# Altium PCB HandHeld_Terminal_V2_Rev3.PcbDoc (part 1 of 2)
Units mil, origin at the board's own origin, x right, y up, seen from the top; angles counter-clockwise.
Board outline 3031.5 x 1889.77 mil, 4 copper layers (Top Layer, GND_02, PWR_03, Bottom Layer), stack 63.307 mil thick; 122 components, 81 nets, 452 pads, 291 vias.
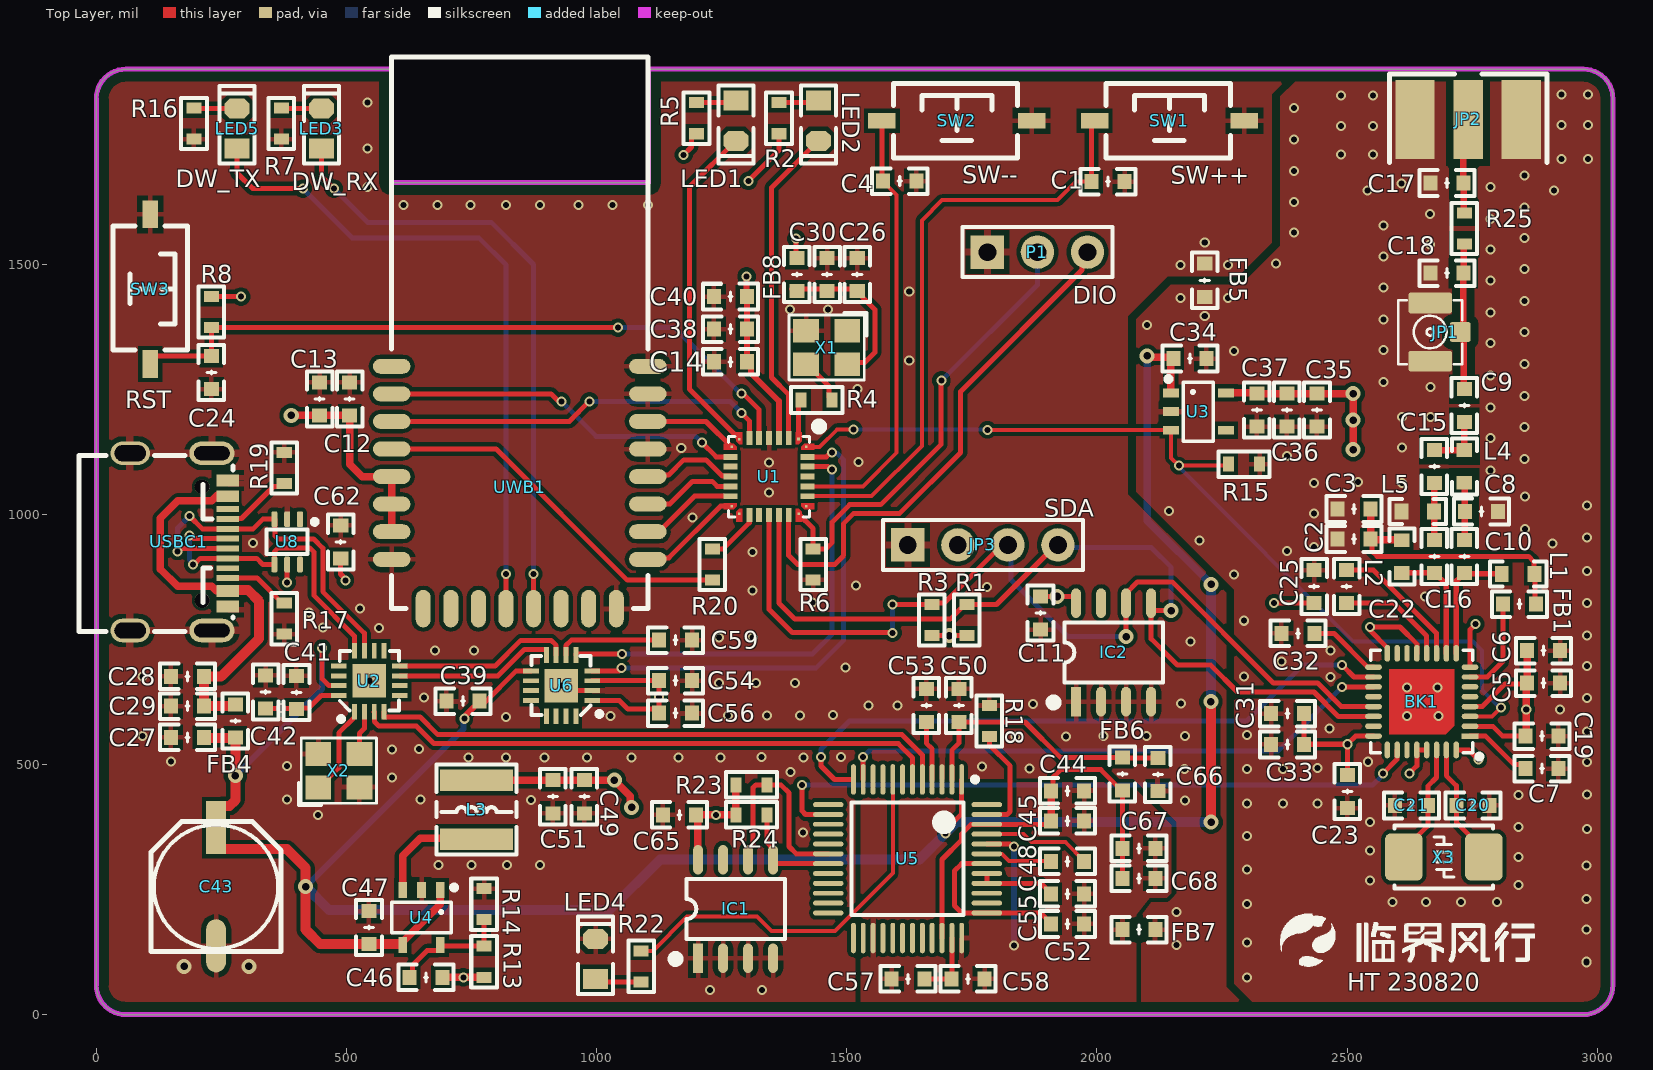
[diagram p0: Top Layer view]
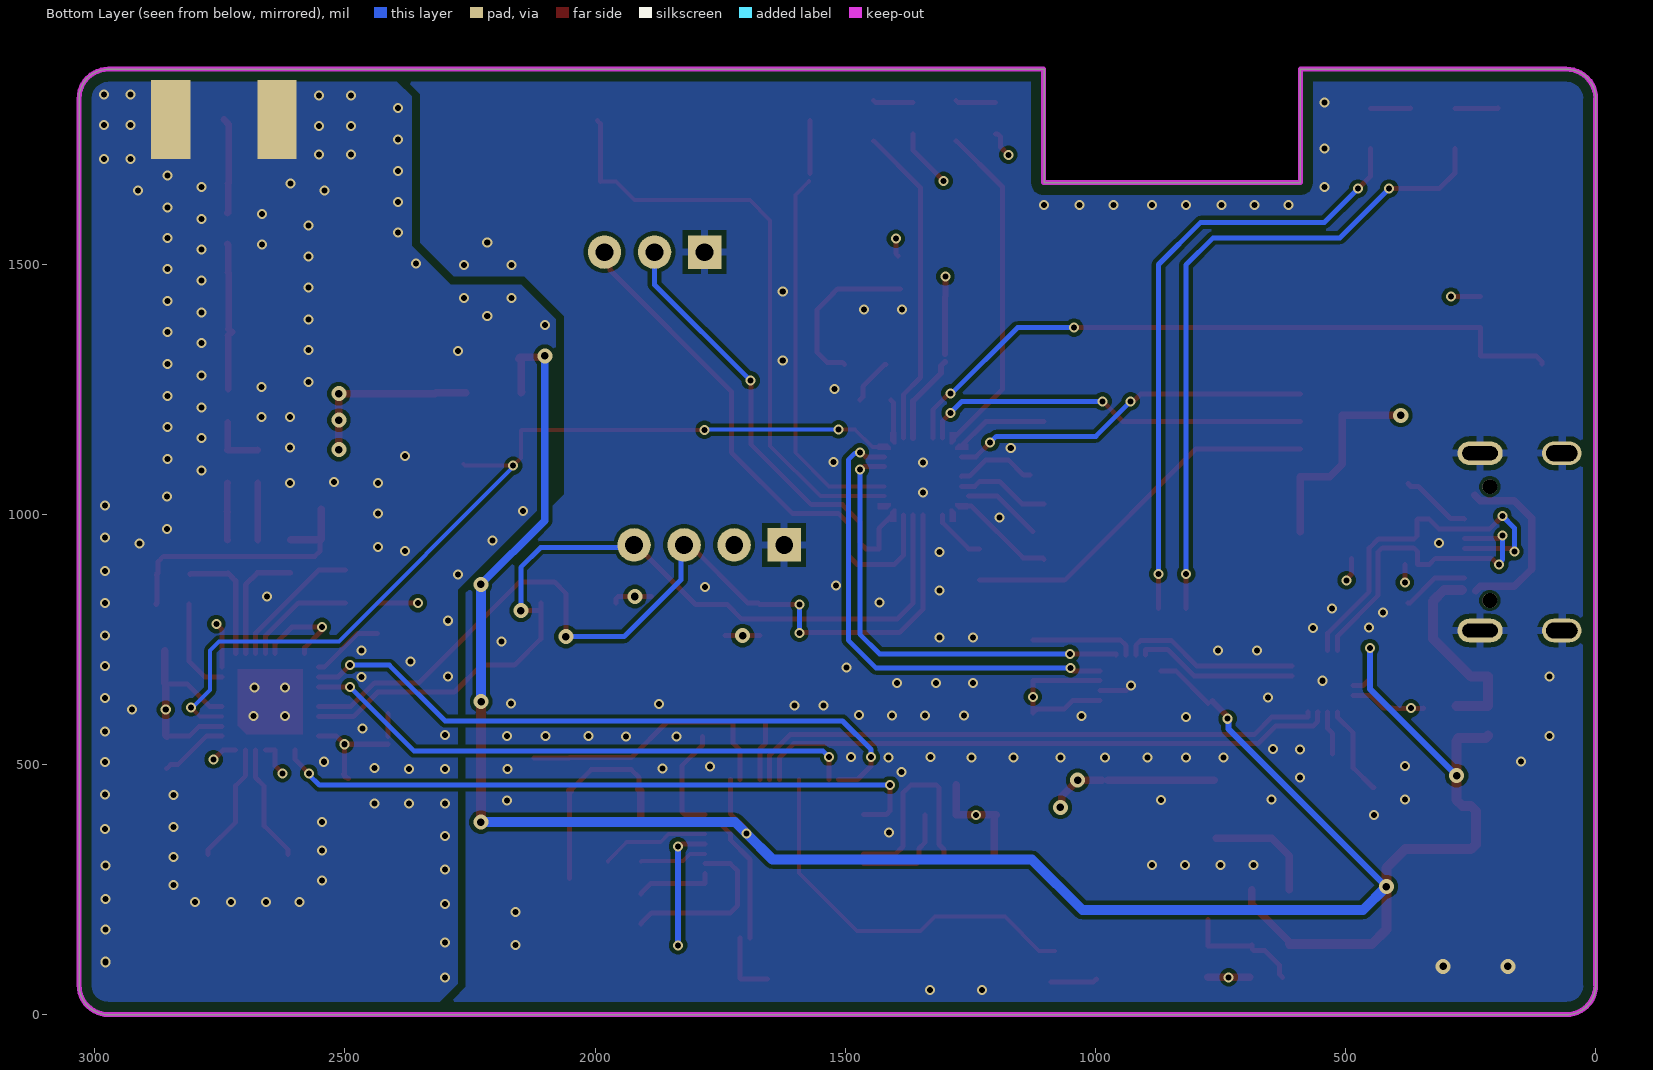
[diagram p1: Bottom Layer view, seen from below]
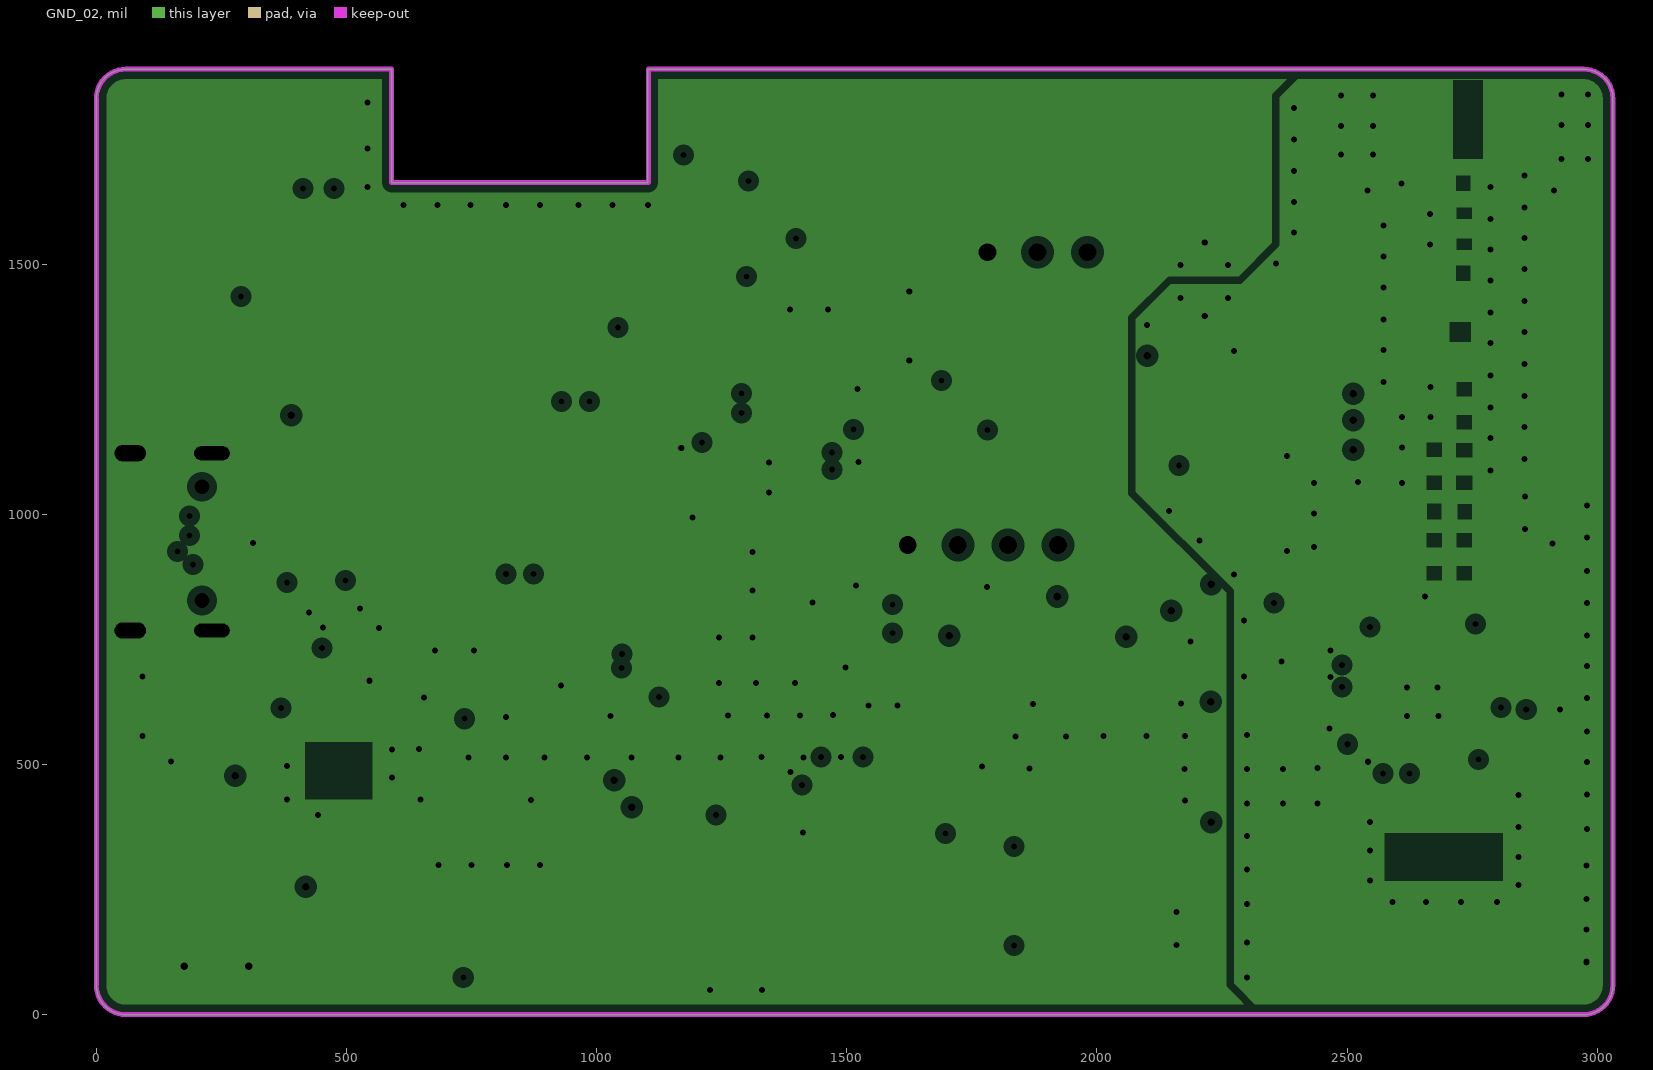
[diagram p2: GND_02, clearances drawn from the general rule]
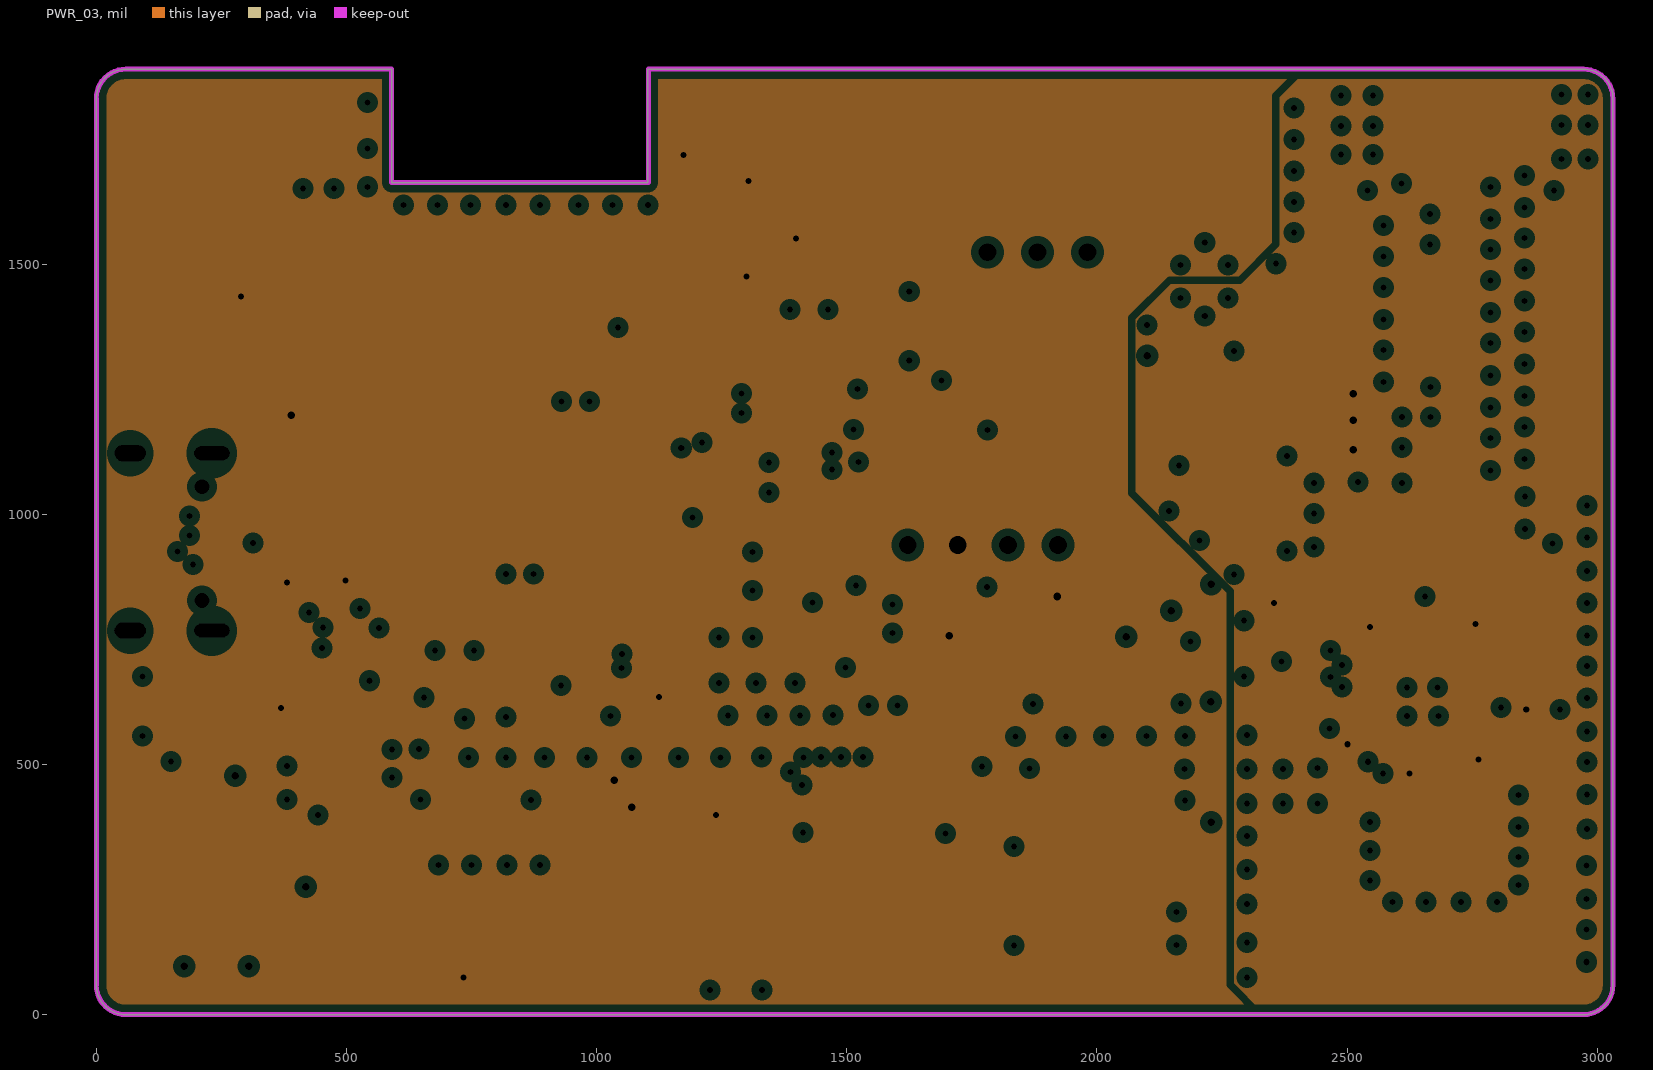
[diagram p3: PWR_03, clearances drawn from the general rule]

## Layer stack, top to bottom
Top Solder: solder mask 0.4, Solder Resist, Dk 3.5
Top Layer: signal copper 1.4
Dielectric 2: prepreg 8.6, PP-023, Dk 4.5
GND_02: plane copper 0.689, net GND
Dielectric 1: dielectric 41.9291, FR-4, Dk 4.8
PWR_03: plane copper 0.689, net (Multiple Nets)
Dielectric 3: prepreg 8.6, PP-023, Dk 4.5
Bottom Layer: signal copper 1.4
Bottom Solder: solder mask 0.4, Solder Resist, Dk 3.5

## Board outline
0,59.06 0,1830.71 cw(c59.06,1830.71) 59.06,1889.76 57.19,1889.76 590.54,1889.76 590.85,1889.46 590.85,1663.09 1102.46,1663.09 1102.46,1889.76 2972.46,1889.76 2972.47,1889.75 2972.46,1889.76 cw(c2972.45,1830.72) 3031.5,1830.71 3031.5,1830.72 3031.5,59.06 cw(c2972.44,59.06) 2972.44,0 59.06,0 cw(c59.06,59.05)

## Design rules (kind name [scope] priority, off if disabled: settings)
Clearance RF_Pour_Clearance [InNetClass('RF') vs InPolygon] p1: gap=15 ignorepadtopadclearanceinfootprint=TRUE
Clearance Chip_Pin [InComponent('BK1','USBC1','U1')] p2: gap=6 ignorepadtopadclearanceinfootprint=TRUE
Clearance Frame_Shrink [OnLayer('Keep-Out Layer') vs InPolygon] p3: gap=20 ignorepadtopadclearanceinfootprint=FALSE
Clearance [All] p4: gap=8 ignorepadtopadclearanceinfootprint=TRUE
DiffPairsRouting [All] p1: maxlimit=10 minlimit=10 mostfreqgap=10 toplayer_minwidth=8 toplayer_maxwidth=15 toplayer_prefwidth=8 bottomlayer_minwidth=8 bottomlayer_maxwidth=15 bottomlayer_prefwidth=8 maxuncoupledlength=500
MatchedLengths DiffPair_MatchedLengths [InDifferentialPair ('UD')] p1: tolerance=1000 checknetsindiffpair=FALSE checkdiffpairvsdiffpair=TRUE checkxsignals=TRUE checkothers=TRUE
MinimumSolderMaskSliver [All] p1: minsoldermaskwidth=0
PlaneClearance [All] p1: clearance=15
PlaneConnect [All] p1: planeconnectstyle=Direct reliefexpansion=20 reliefentries=4 reliefconductorwidth=15 reliefairgap=10
PolygonConnect PolygonConnect_RF [InComponentClass('RF_Comp')] p1: connectstyle=Direct reliefconductorwidth=10 reliefentries=4 polygonreliefangle="90 Angle" airgapwidth=10
PolygonConnect [All] p2: thpad.connectstyle=Relief thpad.reliefconductorwidth=15 thpad.reliefentries=4 thpad.polygonreliefangle="90 Angle" thpad.airgapwidth=10 smdpad.connectstyle=Relief smdpad.reliefconductorwidth=10 smdpad.reliefentries=4 smdpad.polygonreliefangle="90 Angle" smdpad.airgapwidth=10 via.connectstyle=Direct via.reliefconductorwidth=10 via.reliefentries=4 via.polygonreliefangle="90 Angle" via.airgapwidth=10
RoutingVias [All] p1: holewidth=12 width=20 viastyle="Through Hole" minholewidth=12 minwidth=18 maxholewidth=25 maxwidth=50
SilkToSilkClearance [All] p1: silktosilkclearance=0
SilkToSolderMaskClearance [IsPad] p1: minsilkscreentomaskgap=0 clearancetoexposedcopper=TRUE
SolderMaskExpansion [All] p1: expansion=4 istentingtop=FALSE
Width PWR [InNetClass('PWR')] p1: maxlimit=50 minlimit=8 preferedwidth=15
Width [All] p2: maxlimit=30 minlimit=8 preferedwidth=10
24 further rules are at their usual default settings.

## Classes and differential pairs
component class RF_Comp: C2 C3 C8 C17 C18 FB5 JP1 JP2 L5
net class RF: NetC8_2 NetC9_1 NetC9_2 NetC15_1 NetC17_1
net class PWR: 3V3 +3.3V +3.3VA GND GNDA GNDRF RF3V3 USB_5V VBUS

## Components (designator, comment, footprint, x,y, rotation, side; value= is the part's Value field where it differs from the comment)
BK1 "BK9535" "QFN32 5x5_N" 2649.32,625.58 r90 top
C1 "Cap" "C 0603_L" 2022.38,1665 r180 top value=0.1μF
C2 "Cap" "C 0603_L" 2514.32,950.58 r0 top value=100pF
C3 "Cap" "C 0603_L" 2514.32,1010.58 r0 top value=1μF
C4 "Cap" "C 0603_L" 1605.95,1666 r180 top value=0.1μF
C5 "Cap" "C 0603_L" 2892.97,662.54 r180 top value=1nF
C6 "Cap" "C 0603_L" 2892.97,727.54 r180 top value=4.7μF
C7 "Cap" "C 0603_L" 2889.32,491.58 r180 top value=4.7μF
C8 "Cap" "C 0603_L" 2768.32,1005.58 r180 top value=3.6pF
C9 "Cap" "C 0603_L" 2734.32,1217.09 r90 top value=100pF
C10 "Cap" "C 0603_L" 2734.32,915.58 r90 top value=100pF
C11 "Cap" "C 0603_L" 1887.28,802.71 r90 top value=0.1μF
C12 "Cap" "C 0603_L" 506.54,1230.75 r90 top value=10μF
C13 "Cap" "C 0603_L" 446.54,1230.75 r90 top value=0.1μF
C14 "Cap" "C 0603_L" 1267.9,1304.89 r0 top value=10nF
C15 "Cap" "C 0603_L" 2674.32,1095.58 r90 top value=3.6pF
C16 "Cap" "C 0603_L" 2674.32,915.58 r90 top value=100pF
C17 "Cap" "C 0603_L" 2699.32,1662.09 r180 top value=NC
C18 "Cap" "C 0603_L" 2699.32,1482.09 r180 top value=3.6pF
C19 "Cap" "C 0603_L" 2889.32,556.58 r0 top value=330pF
C20 "Cap" "C 0603_L" 2751.53,418 r0 top value=22pF
C21 "Cap" "C 0603_L" 2628.53,418 r180 top value=22pF
C22 "Cap" "C 0603_L" 2499.32,855.58 r270 top value=1μF
C23 "Cap" "C 0603_L" 2500.52,445.6 r90 top value=2.2μF
C24 "Cap" "C 0603_L" 230.08,1283.09 r90 top value=0.1μF
C25 "Cap" "C 0603_L" 2434.32,855.58 r90 top value=4.7μF
C26 "Cap" "C 0603_L" 1521.01,1479.07 r270 top value=10nF
C27 "Cap" "C 0603_L" 182.21,554.02 r0 top value=1μF
C28 "Cap" "C 0603_L" 182.21,675.93 r0 top value=10μF
C29 "Cap" "C 0603_L" 182.21,616.43 r0 top value=0.1μF
C30 "Cap" "C 0603_L" 1461.01,1479.07 r270 top value=1μF
C31 "Cap" "C 0603_L" 2381.4,601.46 r0 top value=0.1μF
C32 "Cap" "C 0603_L" 2401.75,762.25 r0 top value=1μF
C33 "Cap" "C 0603_L" 2381.4,540 r0 top value=1μF
C34 "Cap" "C 0603_L" 2185.84,1311.36 r0 top value=10μF
C35 "Cap" "C 0603_L" 2439.84,1208.36 r270 top value=10μF
C36 "Cap" "C 0603_L" 2379.84,1208.36 r270 top value=0.1μF
C37 "Cap" "C 0603_L" 2319.84,1208.36 r90 top value=1nF
C38 "Cap" "C 0603_L" 1267.53,1370.21 r0 top value=0.1μF
C39 "Cap" "C 0603_L" 732.89,626.63 r0 top value=1μF
C40 "Cap" "C 0603_L" 1267.53,1435.21 r180 top value=4.7μF
C41 "Cap" "C 0603_L" 400.17,644.04 r90 top value=0.1μF
C42 "Cap" "C 0603_L" 338.68,644.88 r270 top value=10μF
C43 "Cap Pol1" "CM D(6.3*5.4)" 239.38,255.68 r90 top value=220μF
C44 "Cap" "C 0603_L" 1941.55,447.22 r180 top value=4.7μF
C45 "Cap" "C 0603_L" 1941.55,387.22 r180 top value=0.1μF
C46 "Cap" "C 0603_L" 658.96,74.68 r180 top value=6pF
C47 "Cap" "C 0603_L" 545.1,174.11 r90 top value=4.7μF
C48 "Cap" "C 0603_L" 1941.55,306.22 r0 top value=1μF
C49 "Cap" "C 0603_L" 975.72,435.48 r270 top value=10μF
C50 "Cap" "C 0603_L" 1724.03,617.91 r270 top value=4.7μF
C51 "Cap" "C 0603_L" 912.74,435.48 r270 top value=0.1μF
C52 "Cap" "C 0603_L" 1941.55,181.22 r180 top value=4.7μF
C53 "Cap" "C 0603_L" 1659.03,617.91 r270 top value=4.7μF
C54 "Cap" "C 0603_L" 1158.08,667.62 r0 top value=1μF
C55 "Cap" "C 0603_L" 1941.55,241.22 r180 top value=4.7μF
C56 "Cap" "C 0603_L" 1158.08,602.62 r180 top value=1μF
C57 "Cap" "C 0603_L" 1622.53,71.53 r0 top value=4.7μF
C58 "Cap" "C 0603_L" 1742.53,71.53 r180 top value=10nF
C59 "Cap" "C 0603_L" 1158.08,748.47 r180 top value=0.1μF
C62 "Cap" "C 0603_L" 488.67,944.88 r270 top value=0.1μF
C65 "Cap" "C 0603_L" 1165.48,399.37 r180 top value=0.1μF
C66 "Cap" "C 0603_L" 2121.66,480.13 r90 top value=0.1μF
C67 "Cap" "C 0603_L" 2083.94,332.31 r180 top value=4.7μF
C68 "Cap" "C 0603_L" 2083.94,272.31 r180 top value=10nF
FB1 "Ferrite bead" "C 0603_L" 2844.32,820.58 r180 top value=1K
FB4 "Ferrite bead" "C 0603_L" 278.15,587.02 r90 top value=30Ω
FB5 "Ferrite bead" "C 0603_L" 2215.56,1467.79 r270 top value=600R
FB6 "Ferrite bead" "C 0603_L" 2050.91,480.6 r270 top value=33Ω
FB7 "Ferrite bead" "C 0603_L" 2083.94,170 r180 top value=33Ω
FB8 "Ferrite bead" "C 0603_L" 1400.34,1479.07 r90 top value=600Ω
IC1 "24Cxx" SOP8_L 1277.77,211.22 r90 top
IC2 "24Cxx" SOP8_L 2033.38,723.97 r90 top
JP1 "IPEX 测试接口" COAXIAL/SMD/CON/V/I-PEX/W08-5801 2666.17,1364.29 r90 top
JP2 "SMA 天线接口" SMA-KE 2742.08,1789.29 r0 top
JP3 "HDR-1X4" HDR2.54-LI-4P 1772.15,938.86 r0 top
L1 "L" "L 0603" 2842,880.58 r0 top value=33nH
L2 "L" "L 0603" 2609.32,915.58 r90 top value=33nH
L3 "Inductor Iron" NR4018 760.1,409.55 r90 top value=10μH
L4 "L" "L 0603" 2734.32,1095.58 r270 top value=16nH
L5 "L" "L 0603" 2641.32,1005.58 r0 top value=16nH
LED1 "黄色" "LED 0805G" 1278.34,1786.6 r270 top
LED2 "红色" "LED 0805R" 1443.34,1786.6 r270 top
LED3 "绿色" "LED 0805G" 449.92,1770.85 r90 top
LED4 "蓝色" "LED 0805B" 997.99,111.22 r90 top
LED5 "橙色" "LED 0805G" 281.33,1770.85 r90 top
P1 "Header 3" HDR2.54-LI-3P 1881.2,1524.02 r0 top
R1 "Resistor" "R 0603_L" 1739.95,788.71 r90 top value=3.3K
R2 "Resistor" "R 0603_L" 1364.64,1791.6 r270 top value=1K
R3 "Resistor" "R 0603_L" 1670.29,788.71 r90 top value=3.3K
R4 "Resistor" "R 0603_L" 1440.01,1228.36 r0 top value=33Ω
R5 "Resistor" "R 0603_L" 1199.64,1791.6 r270 top value=1K
R6 "Resistor" "R 0603_L" 1432.86,899.94 r270 top value=100K
R7 "Resistor" "R 0603_L" 369.92,1780.85 r270 top value=2K
R8 "Resistor" "R 0603_L" 230.08,1404.09 r90 top value=10K
R13 "Resistor" "R 0603_L" 775.1,105.68 r270 top value=249K
R14 "Resistor" "R 0603_L" 775.1,220.68 r270 top value=54.9K
R15 "Resistor" "R 0603_L" 2294.25,1100.28 r180 top value=100K
R16 "Resistor" "R 0603_L" 195.28,1780.85 r270 top value=1K
R17 "Resistor" "R 0603_L" 375.75,791.33 r270 top value=5.1K
R18 "Resistor" "R 0603_L" 1785.01,586.92 r90 top value=1K
R19 "Resistor" "R 0603_L" 375.75,1092.68 r270 top value=5.1K
R20 "Resistor" "R 0603_L" 1231.25,899.94 r270 top value=0Ω
R22 "Resistor" "R 0603_L" 1088.92,96.56 r90 top value=1K
R23 "Resistor" "R 0603_L" 1309.38,459.37 r180 top value=4.7K
R24 "Resistor" "R 0603_L" 1309.38,399.37 r180 top value=4.7K
R25 "Resistor" "R 0603_L" 2734.32,1571.09 r90 top value=0Ω
SW1 "3x6x5" "TSW SMD-3*6*2.5" 2145,1786.73 r0 top
SW2 "3x6x5" "TSW SMD-3*6*2.5" 1720,1786.73 r0 top
SW3 "3x6x5" "TSW SMD-3*6*2.5" 107.79,1450 r270 top
U1 "STM32G071GBU6" UFQFPN-28 1344.67,1075.49 r270 top
U2 "CH334P" QFN16 545.73,667.31 r90 top
U3 "RT9013" SOT23-5L 2202.99,1205.36 r270 top
U4 "RT8059" SOT23-5L 650.1,194.11 r180 top
U5 "SSS1700" LQFP48_L 1621.55,311.53 r270 top
U6 "CH343P" QFN16 929.13,657.54 r180 top
U8 "CH412K" SOT-363 381.65,944.88 r180 top
USBC1 "TYPE-C 2.0 -16P" USB-C-SMD_TYPE-C-USB-5 165.35,944.88 r270 top
UWB1 "UWB-X3" UWB-X3-MAX-IPEX 590.55,811.61 r270 top
X1 "XTAL" "OSC 3225-4P" 1460.01,1333.36 r180 top
X2 "12M" "OSC 3225-4P" 484.72,487.47 r0 top
X3 "24.576MHz" "OSC 5032-2P" 2693.53,315 r180 top

## Footprints (in the part's own frame and the unit in brackets; to place one, negate y for a bottom-side part, rotate by r counter-clockwise, add the part's x,y. Pads: shape width x height; smd on the part's side, far side on the other; paste and mask are expansions set on the pad)
"C 0603_L" [mil] "无极性贴片电容                                       淘宝ID:黄晶宝石"
  rect 28x30 smd: 1(-33,0) 2(33,0)
  silkscreen extent -55,-26 55,26, body extent -31,-16 31,16, height 32
"CM D(6.3*5.4)" [mm] "贴片电解电容，直径6.3mm，高5.4mm           淘宝ID:黄晶宝石"
  rect 2.7x1 smd: 1(3,0)
  oval 2.7x1 smd: 2(-3,0)
  silkscreen extent -3.3,-3.3 3.3,3.3, body extent -3.5,-3.3 3.5,3.3, height 5.4
COAXIAL/SMD/CON/V/I-PEX/W08-5801 [mm] "https://shop463601444.taobao.com"
  rrect20% 1x1.05 smd: 1(0,-1.525)
  rrect20% 1.05x2.2 smd: 2(-1.475,0) 3(1.475,0)
  silkscreen extent -1.63,-1.63 1.63,1.63, body extent -1.5,-1.55 1.5,1.55, height 1.25
HDR2.54-LI-3P [mm] "排针，3脚"
  rect 1.7x1.7 hole 0.9: 1(-2.54,0)
  round 1.7 hole 0.9: 2(0,0) 3(2.54,0)
  silkscreen extent -3.81,-1.27 3.81,1.27, body extent -3.81,-1.27 3.81,1.27, height 8.5
HDR2.54-LI-4P [mm] "排针，4脚"
  rect 1.7x1.7 hole 0.9: 1(-3.81,0)
  round 1.7 hole 0.9: 2(-1.27,0) 3(1.27,0) 4(3.81,0)
  silkscreen extent -5.08,-1.27 5.08,1.27, body extent -5.08,-1.27 5.08,1.27, height 8.5
"L 0603" [mm] "小功率贴片电感        淘宝ID:黄晶宝石"
  rect 0.7x0.8 smd: 1(-0.83,0) 2(0.83,0)
  silkscreen extent -1.43,-0.64 1.43,0.64, body extent -0.8,-0.4 0.8,0.4, height 0.8
"LED 0805B" [mil] "蓝色0805LED                                    淘宝ID:黄晶宝石"
  rect 40x50 smd: 1(-40,0)
  oct 40x50 smd: 2(40,0)
  silkscreen extent -70,-35 85,35, body extent -39,-25 39,25, height 32
"LED 0805G" [mil] "绿色0805LED                              淘宝ID:黄晶宝石"
  rect 40x50 smd: 1(-40,0)
  oct 40x50 smd: 2(40,0)
  silkscreen extent -70,-35 85,35, body extent -39,-25 39,25, height 32
"LED 0805R" [mil] "红色0805LED                                       淘宝ID:黄晶宝石"
  rect 40x50 smd: 1(-40,0)
  oct 40x50 smd: 2(40,0)
  silkscreen extent -70,-35 85,35, body extent -39,-25 39,25, height 32
LQFP48_L [mm] "封装库来自淘宝 ID：黄晶宝石 Thin QFP, 48-Leads, Body 7x7mm, Pitch 0.5mm, IPC High Density"
  oval 1.55x0.25 smd: 1(-4.025,2.75) 2(-4.025,2.25) 3(-4.025,1.75) 4(-4.025,1.25) 5(-4.025,0.75) 6(-4.025,0.25) 7(-4.025,-0.25) 8(-4.025,-0.75) 9(-4.025,-1.25) 10(-4.025,-1.75) 11(-4.025,-2.25) 12(-4.025,-2.75) 25(4.025,-2.75) 26(4.025,-2.25) 27(4.025,-1.75) 28(4.025,-1.25) 29(4.025,-0.75) 30(4.025,-0.25) 31(4.025,0.25) 32(4.025,0.75) 33(4.025,1.25) 34(4.025,1.75) 35(4.025,2.25) 36(4.025,2.75)
  oval 0.25x1.55 smd: 13(-2.75,-4.025) 14(-2.25,-4.025) 15(-1.75,-4.025) 16(-1.25,-4.025) 17(-0.75,-4.025) 18(-0.25,-4.025) 19(0.25,-4.025) 20(0.75,-4.025) 21(1.25,-4.025) 22(1.75,-4.025) 23(2.25,-4.025) 24(2.75,-4.025) 37(2.75,4.025) 38(2.25,4.025) 39(1.75,4.025) 40(1.25,4.025) 41(0.75,4.025) 42(0.25,4.025) 43(-0.25,4.025) 44(-0.75,4.025) 45(-1.25,4.025) 46(-1.75,4.025) 47(-2.25,4.025) 48(-2.75,4.025)
  silkscreen extent -4.15,-2.85 2.85,3.55, body extent -4.5,-4.5 4.5,4.5, height 1.45
NR4018 [mm] "4.0mm*4.0mm*1.8mm(长*宽*高）"
  rect 1.1x3.7 smd: 1(-1.5,0) 2(1.5,0)
  silkscreen extent -2.29,-2.03 2.29,2.03, body extent -2,-2 2,2, height 1.9
"OSC 3225-4P" [mm] "3.2*2.5*0.7mm(长宽高)                         淘宝ID:黄晶宝石"
  rect 1.3x1.2 smd: 1(-1.05,-0.85) 2(1.05,-0.85) 3(1.05,0.85) 4(-1.05,0.85)
  silkscreen extent -2.03,-1.75 1.91,1.65, body extent -1.6,-1.25 1.6,1.25, height 0.7
"OSC 5032-2P" [mil] "5mm*3.2mm*0.8mm(长*宽*高)                  淘宝ID:黄晶宝石"
  rrect30% 75x94.49 smd: 1(-80,0) 2(80,0)
  silkscreen extent -98,-63 98,63, body extent -98,-63 98,63, height 34
QFN16 [mm] "3mm*3mm 封装库来自淘宝卖家 ID：黄晶宝石"
  rect 1.7x1.7 smd: 0(0,0)
  rect 0.8x0.25 smd: 1(-1.575,0.75) 2(-1.575,0.25) 3(-1.575,-0.25) 4(-1.575,-0.75) 9(1.524,-0.75) 10(1.524,-0.25) 11(1.524,0.25) 12(1.524,0.75)
  rect 0.25x0.8 smd: 5(-0.75,-1.55) 6(-0.25,-1.55) 7(0.25,-1.55) 8(0.75,-1.55) 13(0.75,1.55) 14(0.25,1.55) 15(-0.25,1.55) 16(-0.75,1.55)
  silkscreen extent -2.07,-1.5 1.5,1.56, body extent -1.55,-1.52 1.49,1.52, height 0.9
"QFN32 5x5_N" [mm] "32脚，长x宽x高：5x5x0.95mm，脚距：0.5mm"
  rect 0.275x0.85 smd: 1(-1.751,-2.451)
  oval 0.275x0.85 smd: 2(-1.25,-2.451) 3(-0.75,-2.451) 4(-0.25,-2.451) 5(0.25,-2.451) 6(0.75,-2.451) 7(1.25,-2.451) 8(1.75,-2.451) 17(1.75,2.451) 18(1.25,2.451) 19(0.75,2.451) 20(0.25,2.451) 21(-0.25,2.451) 22(-0.75,2.451) 23(-1.25,2.451) 24(-1.75,2.451)
  oval 0.85x0.275 smd: 9(2.451,-1.75) 10(2.451,-1.25) 11(2.451,-0.75) 12(2.451,-0.25) 13(2.451,0.25) 14(2.451,0.75) 15(2.451,1.25) 16(2.451,1.75) 25(-2.451,1.75) 26(-2.451,1.25) 27(-2.451,0.75) 28(-2.451,0.25) 29(-2.451,-0.25) 30(-2.451,-0.75) 31(-2.451,-1.25) 32(-2.451,-1.75)
  round 0.025 smd: 33(0,0)
  Top Layer region: -1.22,-1.65 -1.651,-1.219 -1.651,1.65 1.65,1.65 1.65,-1.65
  silkscreen extent -2.92,-3.05 2.6,2.6, body extent -2.5,-2.5 2.5,2.5, height 0.93
"R 0603_L" [mil] "1/10W贴片电阻                 淘宝ID:黄晶宝石"
  rect 22x30 smd: 1(-31,0) 2(31,0)
  silkscreen extent -51,-26 51,26, body extent -31,-16 32,16, height 16
SMA-KE [mm] "SMA 偏脚射频天线座     淘宝ID:黄晶宝石"
  rect 1.5x4 smd: 1(0,0)
  rect 2x4 smd: 2(-2.7,0) 2(2.7,0)
  rect 2x4 smd far side: 3(-2.7,0) 3(2.7,0)
  silkscreen extent -4,-2.2 4,2.3, body extent -3.25,-1.3 3.25,12.2, height 3.75
SOP8_L [mm] "5*6*1.8mm（长宽高）封装库来自淘宝卖家 ID：黄晶宝石"
  rect 1.5x0.5 smd: 1(-2.5,1.905)
  oval 1.5x0.5 smd: 2(-2.5,0.635) 3(-2.5,-0.635) 4(-2.5,-1.905) 5(2.5,-1.905) 6(2.5,-0.635) 7(2.5,0.635) 8(2.5,1.905)
  silkscreen extent -2.69,-2.5 1.52,3.2, body extent -3,-2.5 3,2.5, height 1.9
SOT23-5L [mm] "3x1.6x1.1mm(长宽高) 封装库来自淘宝卖家 ID：黄晶宝石"
  rect 0.45x0.8 smd: 1(-0.95,-1.4) 2(0,-1.4) 3(0.95,-1.4) 4(0.95,1.4) 5(-0.95,1.4)
  silkscreen extent -1.78,-1.65 1.5,0.76, body extent -1.5,-1.4 1.5,1.4, height 1.15
SOT-363 [mm]
  rrect50% 0.3x0.8 smd: 1(-0.65,-1.15) 2(0,-1.15) 3(0.65,-1.15) 4(0.65,1.15) 5(0,1.15) 6(-0.65,1.15)
  silkscreen extent -1.52,-1.14 1.05,0.63, body extent -1.1,-1.2 1.1,1.2, height 1.1
"TSW SMD-3*6*2.5" [mm] "3*6*2.5mm"
  rect 1.4x0.8 smd: 1(-3.8,0) 2(3.8,0)
  silkscreen extent -3.21,-1.9 3.09,1.9, body extent -4,-1.75 4,1.75, height 2.59
UFQFPN-28 [mm]
  rect 0.152x0.152 smd paste-0.064 mask-0.064: 1(-1.9,1.5)
  rect 0.7x0.3 smd: 2(-1.95,1) 3(-1.95,0.5) 4(-1.95,0) 5(-1.95,-0.5) 6(-1.95,-1) 16(1.95,-1) 17(1.95,-0.5) 18(1.95,0) 19(1.95,0.5) 20(1.95,1)
  rect 0.127x0.127 smd paste-0.064 mask-0.064: 7(-1.9,-1.5) 8(-1.5,-1.9) 14(1.5,-1.9) 15(1.9,-1.5) 21(1.9,1.5) 22(1.5,1.9) 28(-1.5,1.9)
  rect 0.3x0.7 smd: 9(-1,-1.95) 10(-0.5,-1.95) 11(0,-1.95) 12(0.5,-1.95) 13(1,-1.95) 23(1,1.95) 24(0.5,1.95) 25(0,1.95) 26(-0.5,1.95) 27(-1,1.95)
  Top Layer region: 1.796,1.652 2.3,1.652 2.3,1.348 1.646,1.348 1.646,1.502
  Top Layer region: 1.796,-1.652 2.3,-1.652 2.3,-1.348 1.646,-1.348 1.646,-1.502
  Top Layer region: 1.652,1.796 1.652,2.3 1.348,2.3 1.348,1.646 1.502,1.646
  Top Layer region: -1.652,1.796 -1.652,2.3 -1.348,2.3 -1.348,1.646 -1.502,1.646
  Top Layer region: -1.796,-1.652 -2.24,-1.652 -2.24,-1.348 -1.646,-1.348 -1.646,-1.502
  Top Layer region: -1.652,-1.796 -1.652,-2.3 -1.348,-2.3 -1.348,-1.646 -1.502,-1.646
  Top Layer region: 1.652,-1.796 1.652,-2.3 1.348,-2.3 1.348,-1.646 1.502,-1.646
  Top Layer region: -1.796,1.652 -2.24,1.652 -2.24,1.348 -1.646,1.348 -1.646,1.502
  silkscreen extent -2.74,-2.04 2.04,2.74, body extent -2,-2 2,2, height 0.55
USB-C-SMD_TYPE-C-USB-5 [mm]
  oval 1.2x2.3 hole 0.7 slot 1.8 at 90 deg: 0(-4.5,1.675) 0(4.5,1.675)
  oval 1.2x2 hole 0.8 slot 1.6 at 90 deg: 0(-4.5,-2.475) 0(4.5,-2.475)
  rect 0.3x1.15 smd: A1(-3.263,2.473) A4(-2.462,2.471) A5(-1.162,2.475) A6(-0.162,2.475) A7(0.337,2.473) A9(2.638,2.475) A12(3.438,2.475) B1(3.138,2.475) B4(2.337,2.475) B5(1.838,2.475) B6(0.838,2.475) B7(-0.663,2.473) B9(-2.162,2.471) B12(-2.963,2.473)
  rect 0.3x1.148 smd: A8(-1.663,2.475) B8(1.337,2.475)
  round 0.75 hole 0.75 unplated: ""(-2.803,1.175) ""(2.978,1.175)
  silkscreen extent -4.38,-5.08 4.56,2.75, body extent -4.34,-5.14 4.6,2.76, height 3.25
UWB-X3-MAX-IPEX [mil]
  oval 30x75 smd: 1(-484.25,0) 2(-429.13,0) 3(-374.02,0) 4(-318.9,0) 5(-263.78,0) 6(-208.66,0) 7(-153.54,0) 8(-98.43,0) 17(-98.43,511.81) 18(-153.54,511.81) 19(-208.66,511.81) 20(-263.78,511.81) 21(-318.9,511.81) 22(-374.02,511.81) 23(-429.13,511.81) 24(-484.25,511.81)
  oval 75x30 smd: 9(0,62.99) 10(0,118.11) 11(0,173.23) 12(0,228.35) 13(0,283.46) 14(0,338.58) 15(0,393.7) 16(0,448.82)
  silkscreen extent -1102,0 0,512, body extent -1100,0 0,512, height 118

## Part data
BK1: library part BK9530
C1 C2 C3 C4 C5 C6 C7 C8 C9 C10 C11 C12 C13 C14 C15 C16 C17 C18 C19 C20 C21 C22 C23 C24 C25 C26 C27 C28 C29 C30 C31 C32 C33 C34 C35 C36 C37 C38 C39 C40 C41 C42 C44 C45 C46 C47 C48 C49 C50 C51 C52 C53 C54 C55 C56 C57 C58 C59 C62 C65 C66 C67 C68: "Capacitor", LatestRevisionDate=17-Jul-2002, LatestRevisionNote="Re-released for DXP Platform.", PackageDescription="Radial Cap, Thru-Hole; 2 Leads; 0.3 in Pin Spacing", PackageReference=RAD-0.3, Published=8-Jun-2000, Publisher="Altium Limited"
C43: "Polarized Capacitor (Radial)", LatestRevisionDate=17-Jul-2002, LatestRevisionNote="Re-released for DXP Platform.", PackageReference=RB7.6-15, Published=8-Jun-2000, Publisher="Altium Limited"
FB1 FB4 FB5 FB6 FB7 FB8: "铁氧体磁珠"
IC1 IC2: "外置EEPROM", BOM名称=外置EEPROM, 唯一出售店铺网址=https://shop463601444.taobao.com, 版权归属="封装库来自淘宝 ID：黄晶宝石"
JP1 JP2: library part SMA, "SMA-2.4G射频天线接口", BOM名称=SMA-2.4G射频天线接口, 唯一出售店铺网址=https://shop463601444.taobao.com, 版权归属="封装库来自淘宝 ID：黄晶宝石"
JP3: library part "Header 4", "4P接插件", BOM名称=4P接插件, 学习资源=https://shop463601444.taobao.com, 版权归属="封装库来自淘宝 ID：黄晶宝石"
L1 L2 L4 L5: "小功率贴片电感", BOM名称=小功率贴片电感, 封装库来自淘宝卖家 ID：黄晶宝石=其他店铺购入均为盗版，不享受售后技术支持服务，请立即申请退款, 淘宝ID="封装库来自淘宝 ID：黄晶宝石", 联系售后=https://shop463601444.taobao.com
L3: "Magnetic-Core Inductor", LatestRevisionDate=17-Jul-2002, LatestRevisionNote="Re-released for DXP Platform.", PackageDescription="Axial Device, Thru-Hole; 2 Leads; 0.9 in Pin Spacing", PackageReference=AXIAL-0.9, Published=24-Mar-1999, Publisher="Altium Limited"
LED1 LED2 LED3 LED4 LED5: library part LED-SMD, "贴片LED", BOM名称=贴片LED, 学习资源=https://shop463601444.taobao.com, 版权归属="封装库来自淘宝 ID：黄晶宝石"
P1: "Header, 3-Pin", LatestRevisionDate=17-Jul-2002, LatestRevisionNote="Re-released for DXP Platform.", Publisher="Altium Limited"
SW1 SW2 SW3: library part "TSW 3x6", "3x6轻触开关", BOM名称=3x6轻触开关, 学习资源=https://shop463601444.taobao.com, 版权归属="封装库来自淘宝 ID：黄晶宝石"
U1: "No Description Available", Mfr_Name=STMicroelectronics, RefDes=RefDes, Type=Type
U2: library part CH334, "4路usb_hub"
U3: "LDO"
U4: "DC-DC, 2.8-5.5V,1A"
U5: "USB音频芯片"
U6: library part CH343, "USB转串口"
U8: "四路ESD保护"
USBC1: library part "USB2.0 Type-C 16Pin母座", "USB2.0 Type-C 母座 16Pin", BOM_Manufacturer=LCSC, BOM_Manufacturer Part=-, BOM_Supplier=LCSC, spicePre=U, spiceSymbolName="TYPE-C 3.1 -16P_C168689"
UWB1: library part UWB-X3(DWM3000)
X1: "4脚有源晶振"
X2: library part XTAL-4P, "4脚无源晶振", BOM名称=4脚无源晶振, 学习资源=https://shop463601444.taobao.com, 版权归属="封装库来自淘宝卖家 ID：黄晶宝石"
X3: library part XTAL-2P, "2脚无源脚晶振", BOM名称=2脚无源脚晶振, 学习资源=https://shop463601444.taobao.com, 版权归属="封装库来自淘宝卖家 ID：黄晶宝石"
R1 R2 R3 R4 R5 R6 R7 R8 R13 R14 R15 R16 R17 R18 R19 R20 R22 R23 R24 R25: LatestRevisionDate=17-Jul-2002, LatestRevisionNote="Re-released for DXP Platform.", PackageReference=AXIAL-0.5, Published=8-Jun-2000, Publisher="Altium Limited"

## Via types
v1: diameter 20, hole 12, Top Layer to Bottom Layer, tented both sides, 273 vias
v2: diameter 30, hole 15, Top Layer to Bottom Layer, tented both sides, 18 vias

## Nets (pads, with @x,y where several pads share a name; then routed paths per layer and width w, separated by ;. In a path a pad name is that pad's centre, name@x,y a point inside that pad or via, vN(x,y) a via of type N, cw(c..) or ccw(c..) an arc to the next point about the centre after c; other vN are vias at no path point)
3V3: C11.2 C12.1 C13.1 C14.2 C38.2 C40.1 C41.1 C42.2 C46.1 C49.1 C51.1 C54.1 C56.2 C62.2 C65.1 FB8.2 IC1.8 IC2.8 JP3.2 L3.2 R1.1 R2.2 R3.1 R5.2 R8.2 R13.2 R23.2 R24.2 U1.3 U2.16 U6.1 U6.3 U8.5 UWB1.5 UWB1.6 UWB1.7 | length 2399.1
  Top Layer w10: R8.2@230.08,1435.09 v1(289.5,1435.09) ; C42.2@344.35,612.4 344.57,612.18 369.27,612.18 v1(369.57,612.47) 370.29,611.76 405.19,611.76 405.81,612.37 424.31,612.37 449.73,637.79 U2.16@484.72,637.79 ; v1(381.65,863.72) U8.5@381.65,899.61 ; C62.2@488.67,911.88 488.26,911.48 488.26,880.59 498.02,870.84 v1(498.02,868.13) ; U6.1@991.14,628.02 1045.32,628.02 1062.35,610.99 1116.71,610.99 C56.2@1125.08,602.62 v1(1125.08,635.12) C54.1@1125.08,667.62 1124.84,667.39 U6.3@991.14,667.39 ; v1(1174.05,1718.6) 1189.64,1734.2 1189.64,1754.6 1195.64,1760.6 R5.2@1199.64,1760.6 ; v1(1303.34,1666.25) 1364.64,1727.55 R2.2@1364.64,1760.6 ; FB8.2@1394.34,1516.36 1399,1521.02 v1(1399,1550.76) ; R3.1@1670.29,757.71 v2(1705.12,757.71) R1.1@1739.95,757.71 ; C11.2@1887.28,835.71 v2(1920.59,835.71) 1953.9,835.71 1958.38,831.23 IC2.8@1958.38,822.39
  Top Layer w12: v1(1299.76,1475.49) 1300.15,1475.1 1300.15,1435.45 1300.38,1435.21 1300.38,1385.52 1300.38,1320.38 ; C14.2@1300.56,1304.89 1308.62,1296.83 1308.62,1282.17 1364.35,1226.44 U1.3@1364.35,1152.26
  Top Layer w15: v2(389.75,1197.75) C13.1@446.54,1197.75 C12.1@506.54,1197.75 506.54,1100.34 531.49,1075.39 UWB1.5@590.55,1075.39 UWB1.6@590.55,1020.28 UWB1.7@590.55,965.16 ; C46.1@691.96,74.68 v1(733.53,74.68) R13.2@775.1,74.68 ; L3.2@762.05,468.48 C49.1@975.72,468.48 ; C49.1@987.22,468.48 v2(1035.58,468.48) 1067.24,436.81 1067.24,417.24 v2(1070.11,414.37) ; IC1.8@1202.77,309.64 1201.87,310.54 1201.87,395.98 C65.1@1198.48,399.37 v1(1238.43,399.37) R24.2@1278.38,399.37 R23.2@1278.38,459.37
+3.3V: C50.2 C66.2 FB6.1 U5.2 | length 548
  Top Layer w10: U5.2@1710.13,470 1710.13,528.72 1724.03,542.62 C50.2@1724.03,584.91 1856.31,584.91 1927.62,513.6 FB6.1@2050.91,513.6 2051.15,513.36 2121.42,513.36 C66.2@2121.66,513.13
+3.3VA: C44.2 C45.2 C67.2 C68.2 FB6.2 U5.34 U5.46 | length 841.5
  Top Layer w10: U5.34@1690.44,153.07 1690.44,310.02 1729.81,349.39 1729.81,361.48 1748.68,380.35 1779.93,380.35 U5.46@1780.01,380.43 1901.76,380.43 C45.2@1908.55,387.22 C45.2@1908.55,386.22 ; C44.2@1912.28,450.95 1912.28,474.3 1927.71,489.73 2007.79,489.73 FB6.2@2049.94,447.57 ; C68.2@2050.94,272.31 C67.2@2050.94,332.31 FB6.2@2050.91,447.6
  Top Layer w15: C45.2@1908.55,387.22 C44.2@1908.55,447.22 C44.2@1912.28,450.95 ; FB6.2@2049.94,447.57 FB6.2@2050.91,447.6
D_AUDIO_N: U2.3 U5.6 | length 1168.4
  Top Layer w10: U2.3@555.57,605.31 555.65,605.23 555.65,585.86 564.95,576.56 640.09,576.56 675.18,541.47 1602.99,541.47 1631.31,513.15 1631.31,470.07 U5.6@1631.39,470
D_AUDIO_P: U2.4 U5.5 | length 1166.4
  Top Layer w10: U2.4@575.26,605.31 575.26,595.18 575.34,595.1 647.01,595.1 682.63,559.47 1610.45,559.47 1651,518.92 1651,470.07 U5.5@1651.07,470
D_DATA_N: U2.7 U6.8 | length 325.9
  Top Layer w10: U2.7@606.74,677.16 802.97,677.16 856.03,730.22 893.75,730.22 894.67,729.3 899.53,729.3 899.61,729.22 U6.8@899.61,718.55
D_DATA_P: U2.8 U6.7 | length 357.5
  Top Layer w10: U2.8@606.74,696.84 797.2,696.84 848.57,748.22 908.99,748.22 919.21,738 919.21,718.63 U6.7@919.29,718.55
DW_IRQn: U1.8 UWB1.22 | length 188.7
  Top Layer w10: UWB1.22@1102.36,1185.63 1218.77,1185.63 U1.8@1269.86,1134.54
DW_MISO: U1.12 UWB1.19 | length 188.6
  Top Layer w10: UWB1.19@1102.36,1020.28 1124.86,1020.28 1125.47,1020.88 1146.68,1020.88 1191.63,1065.83 1231.16,1065.83 1241.19,1055.8 U1.12@1267.9,1055.8
DW_MOSI: U1.13 UWB1.18 | length 158.6
  Top Layer w10: UWB1.18@1124.86,965.16 1195.82,1036.12 1254.12,1036.12
DW_NSS: U1.14 UWB1.17 | length 211.6
  Top Layer w10: UWB1.17@1102.36,910.04 1105.26,912.94 1144.39,912.94 1247.88,1016.43 U1.14@1269.86,1016.43
DW_RESET: U1.6 UWB1.3 | length 782.1
  Top Layer w10: UWB1.3@590.55,1185.63 945.55,1185.63 v1(985.67,1225.75) ; v1(1289.48,1202.77) 1305.3,1186.95 U1.6@1305.3,1152.26
  Bottom Layer w10: v1(985.67,1225.75) 1266.49,1225.75 v1(1289.48,1202.77)
DW_SCK: U1.11 UWB1.20 | length 163.9
  Top Layer w10: UWB1.20@1130.38,1078.66 1144.02,1078.66 1174.31,1108.95 1218.88,1108.95 1251.43,1076.39 1266.99,1076.39 U1.11@1267.9,1075.49
DW_WUP: U1.9 UWB1.2 | length 729.5
  Top Layer w10: UWB1.2@590.55,1240.75 909.06,1240.75 924.06,1225.75 v1(929.48,1225.75) ; v1(1210.39,1143.58) 1239.12,1114.86 U1.9@1267.9,1114.86
  Bottom Layer w10: v1(929.48,1225.75) 999.24,1155.99 1197.99,1155.99 v1(1210.39,1143.58)
GND: C1.1 C4.1 C11.1 C12.2 C13.2 C14.1 C24.1 C26.1 C27.1 C28.1 C29.1 C30.1 C38.1 C39.1 C40.2 C41.2 C42.1 C43.2 C47.2 C49.2 C50.1 C51.2 C53.1 C54.2 C56.1 C59.1 C62.1 C65.2 C66.1 FB5.1 FB7.1 IC1.1 IC1.2 IC1.3 IC1.4 IC2.1 IC2.2 IC2.3 IC2.4 JP3.1 LED4.2 P1.1 R6.2 R7.2 R14.1 R16.2 R17.2 R18.2 R19.1 SW1.2 SW2.2 SW3.1 U1.4 U2.0 U4.2 U5.3 U6.0 U6.2 U8.2 USBC1.0 USBC1.A1 USBC1.A12 USBC1.B1 USBC1.B12 UWB1.8 UWB1.16 UWB1.21 UWB1.23 UWB1.24 X1.2 X2.2 X2.4 | length 66.1
  Top Layer w10: v1(929.13,657.54) 938.98,647.7 U6.2@991.14,647.7
  other v1: 1226.96,49.61 1330.23,49.61 2159.42,139 2159.42,204.76 684.14,299.22 750.1,299.22 820.95,299.22 887.34,299.22 1412.5,364.22 443.38,398.71 869.13,428.55 2175.73,428.26 381.07,430.39 647.79,430.39 590.99,473.85 1387.47,484.96 2175.34,490.47 1865.69,491.87 1770.01,495.59 381.07,497.31 149.21,505.86 743.89,514.23 818.9,514.23 895.67,514.23 980.72,514.23 1070.11,514.23 1163.28,514.23 1247.31,514.23 1414.05,514.23 1329.38,515.15 1488.67,515.15 590.99,530.22 644.75,531.23 1837.39,555.92 1938.53,555.92 92.44,556.84 2013.38,556.73 2099,556.73 2175.73,556.73 819.1,594.6 1027.87,596.54 1262.58,597.74 1340.38,597.62 1406.89,597.62 1472.97,598.91 1543.16,617.91 1601.77,617.91 1872.28,620.54 2168.06,621.73 655.37,633.85 1244.34,662.62 1318.47,662.62 1396.63,662.62 545.73,667.31 92.44,675.93 1497.42,694.28 676.99,727.32 754.81,727.32 2186.62,746.03 1244.34,753.47 1311.27,753.47 564.95,772.53 452.76,774.11 425.38,803.64 527.39,811.61 1431.72,823.29 1311.2,847.94 1780.68,854.94 1518.65,857.94 1311.2,925.04 313.74,942.77 1191.63,993.67 1344.67,1043.89 1344.67,1103.63 1523.36,1104.11 1169.23,1132.04 1521.88,1250.8 1624.94,1306.91 1386.43,1409.36 1462.88,1409.36 1624.94,1445.34 2166.84,1498.56 2262.17,1498.56 2215.56,1543.05 614.13,1618.13 681.67,1618.13 748.04,1618.13 818.9,1618.13 887.27,1618.13 964.05,1618.13 1031.59,1618.13 1102.36,1618.13 542.33,1654.67 542.33,1730.85 542.33,1822.85
  other v2: 175.8,96.36 305.08,96.36
GNDA: C44.1 C45.1 C52.1 C55.1 C57.1 C58.1 C67.1 C68.1 FB7.2 U5.27 U5.36 U5.44 | length 253.8
  Top Layer w10: U5.44@1780.01,341.06 1826.62,341.06 1831.54,336.14 v1(1834.25,336.14)
  Bottom Layer w12: v1(1834.25,138.63) v1(1834.25,336.14)
GNDRF: BK1.33 C2.1 C3.1 C5.1 C6.1 C7.1 C8.1 C17.2 C18.2 C19.2 C20.2 C21.2 C23.1 C25.2 C31.1 C32.1 C33.1 C34.2 C35.2 C36.2 C37.1 FB5.2 JP1.2 JP1.3 JP2.2 JP2.3 L5.1 R15.1 U3.2
  other v1: 2299.71,74.68 2978.26,103.98 2978.26,105.78 2299.71,143.81 2978.26,170.3 2299.71,220.9 2590.53,224.88 2657.91,224.88 2727.65,224.88 2799.78,224.88 2978.26,231.42 2842.32,259.38 2546.16,267.76 2299.71,290.04 2978.26,298.4 2842.32,315 2546.16,328.18 2299.71,357.31 2979.75,370.62 2842.32,375.38 2546.16,385.42 2299.71,421.99 2372.4,421.99 2441.24,421.73 2842.32,439.01 2979.75,439.94 2299.71,491.13 2372.4,491.13 2441.24,492.6 2979.75,504.46 2541.51,505.42 2299.71,558.4 2979.75,565.58 2464.73,571.73 2619.53,596.53 2682.69,596.53 2925.97,610.32 2979.75,632.56 2619.79,653.43 2681.18,653.43 2294.22,675.99 2466.87,675.23 2979.75,697.08 2368.75,706.13 2466.87,727.91 2979.75,758.21 2294.22,787.25 2979.75,822.44 2655.34,835.58 2274.24,879.81 2979.75,886.96 2379.84,926.44 2434.32,934.48 2910.97,941.97 2205.14,947.27 2979.75,953.44 2855.32,970.58 2434.32,1001.58 2143.99,1007.03 2979.75,1017.96 2855.32,1035.1 2434.32,1062.4 2610.12,1062.4 2522.32,1064.37 2786.61,1087.57 2855,1110.44 2379.84,1116.05 2609.32,1133.65 2786.61,1152.09 2855,1174.96 2609.32,1194.86 2666.45,1194.86 2786.61,1213.21 2855,1236.09 2666.45,1254.09 2572.55,1264.09 2786.61,1277.44 2855,1300.31 2273.85,1326.36 2572.55,1328.61 2786.61,1341.96 2855,1364.83 2100.58,1378.17 2572.55,1389.73 2215.56,1396.17 2786.61,1403.09 2855,1425.96 2166.84,1432.21 2262.17,1432.21 2572.55,1453.73 2786.61,1467.09 2855,1489.96 2357.56,1500.79 2572.55,1515.73 2786.61,1529.09 2666.17,1539.09 2855,1551.96 2394.2,1562.98 2572.55,1576.86 2786.61,1590.21 2666.17,1600.21 2855,1613.09 2394.2,1623.88 2541,1647.09 2914.05,1647.09 2786.61,1654.21 2608.41,1661.09 2855,1677.09 2394.2,1685.95 2928.87,1710.55 2981.2,1710.55 2488,1719.21 2551.59,1719.21 2394.2,1748.74 2488,1776.57 2551.59,1776.57 2928.87,1778.03 2981.2,1778.03 2394.2,1812.48 2488,1836.73 2551.59,1836.73 2928.87,1839.47 2981.2,1839.47
LED1: LED1.2 U1.7 | length 676
  Top Layer w10: LED1.2@1278.34,1746.6 1185.74,1654 1185.74,1250.16 U1.7@1285.61,1150.29
LED2: LED2.2 U1.2 | length 647.4
  Top Layer w10: U1.2@1384.04,1152.26 1384.04,1239.13 1349.64,1273.52 1349.64,1652.9 LED2.2@1443.34,1746.6
MCU_RX: U1.27 U6.4 | length 971.3
  Top Layer w10: U6.4@991.14,687.07 1044.64,687.07 v1(1050.18,692.61) ; U1.27@1421.44,1114.86 1459.23,1114.86 1468.3,1123.93 v1(1471.01,1123.93)
  Bottom Layer w10: v1(1050.18,692.61) 1438.21,692.61 1494.01,748.4 1494.01,1108.91 1480.9,1122.02 1472.92,1122.02 v1(1471.01,1123.93)